# KiCad board Panel3-copy2.kicad_pcb (continued)
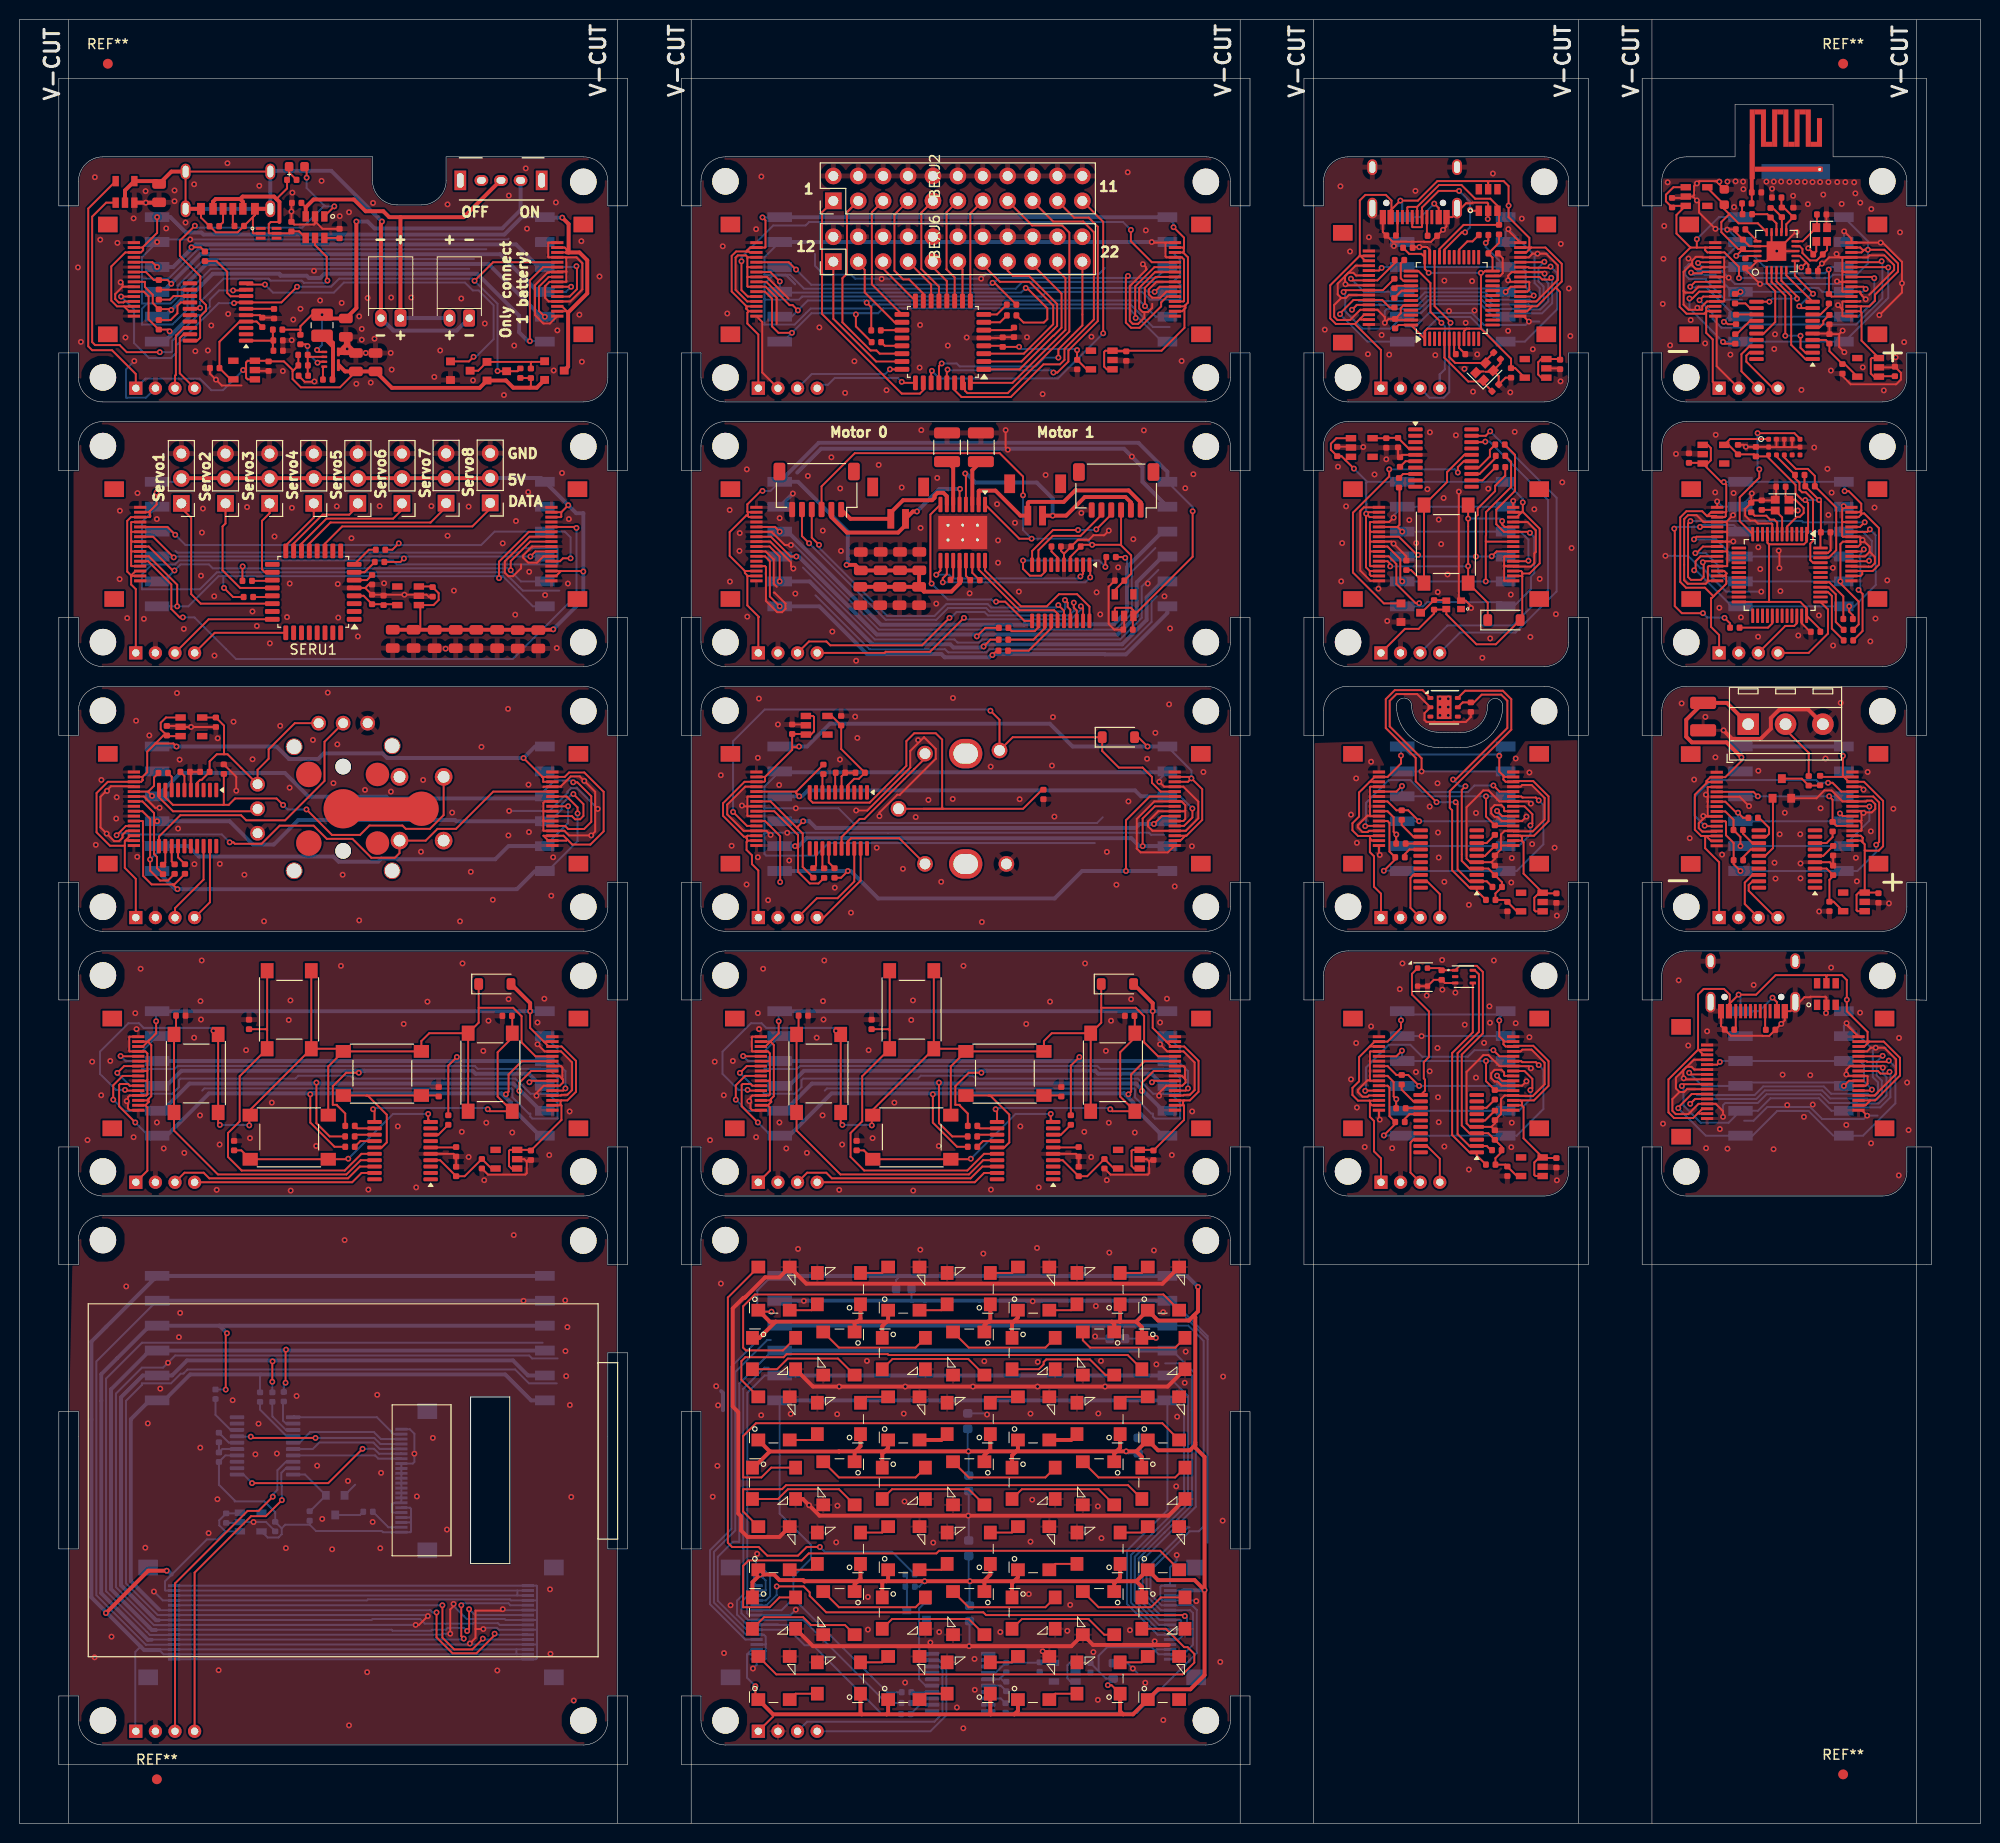
[diagram p0: board, top side]
## Routing (per net, layer and track width the routed paths; a pad name or vN(x,y) marks a point on that pad's centre or on a via; arc(x,y) is an arc through that point) (continued)
USB_Interrupt5V: length 29.6
  Top w0.2: USBJ6.12 155.47,159.25 v1(155.53,159.3) ; USBJ5.12 136.4,154.9 v1(135.9,154.4)
  Bottom w0.2: v1(155.53,159.3) 154.93,158.7 154.93,157.29 155.45,156.77 155.45,155.33 154.95,154.84 154.04,154.84 153.92,154.95 150.18,154.95 149.36,155.78 143.52,155.78 142.63,154.89 136.39,154.89 v1(135.9,154.4)
USB_MISO: length 38.2
  Top w0.2: v1(135.04,156.22) 135.23,156.4 USBJ5.9 139.06,156.4 USBR6.2 ; USBJ6.9 155.04,157.75 155.3,157.49 156.05,157.49 v1(156.23,157.66)
  Bottom w0.2: USBJ3.2 151.92,154.04 155.28,154.04 156.32,155.07 156.32,157.57 v1(156.23,157.66) ; USBJ3.2 150.31,153.69 149.03,154.97 143.85,154.97 142.97,154.09 141.43,154.09 USBJ1.5 139.81,152.47 136.97,152.47 135.21,154.24 135.21,156.05 v1(135.04,156.22) ; USBJ3.2 151.07,153.69
USB_MISO_UC: length 1.6
  Top w0.2: 141.76,156.85 140.47,156.85 USBR6.1
USB_MOSI: length 41.1
  Top w0.2: USBR4.2 139.76,154.63 138.99,155.4 USBJ5.11 137.62,155.4 136.05,155.4 134.68,154.03 v1(134.68,153.95) ; v1(156.16,158.81) 156.04,158.69 153.96,158.69 153.9,158.75 USBJ6.11
  Bottom w0.2: v1(156.16,158.81) 156.83,158.13 156.83,154.45 153.53,151.15 USBJ3.1 150.5,151.15 147.97,153.68 144.78,153.68 142.25,151.15 USBJ1.6 137.49,151.15 v1(134.68,153.95)
USB_MOSI_UC: length 1.8
  Top w0.2: 141.76,156.35 140.97,156.35 USBR4.1
USB_Net-(J2-CC1): length 1.9
  Top w0.2: 143.54,163.85 143.54,162.02 143.62,161.95
USB_Net-(J2-CC2): length 1.9
  Top w0.2: 140.54,163.85 140.54,162.13 140.38,161.97
USB_Net-(U1-NRST): length 1.6
  Top w0.2: USBC4.2 146.32,150.04 USBU1.7
USB_OSC_IN: length 8.4
  Top w0.2: USBU1.5 145.32,149.52 147.76,147.08 149.19,147.08 USBY2.1 149.31,146.96 USBC6.2
USB_OSC_OUT: length 7.2
  Top w0.2: USBU1.6 145.82,149.58 146.43,148.97 149.53,148.97 149.53,149.21 USBC7.2
USB_PS: length 25.1
  Top w0.2: USBJ6.5 154.35,155.75 ; v1(149.55,161.22) 149.81,161.49 USBR5.2 ; v1(138.93,158.67) 138.65,158.4 USBJ5.5
  Bottom w0.2: USBJ3.4 149.55,160.79 v1(149.55,161.22) ; USBJ3.4 USBJ1.3 139.02,158.77 v1(138.93,158.67) ; USBJ3.4 151.98,158.77 ; USBJ3.4 153.21,158.77 153.62,158.35 153.62,156.7 154.44,155.89 v1(154.44,155.85)
USB_PS_UC: length 3.4
  Top w0.2: USBR5.1 148.19,161.38 147.67,161.38 146.82,160.53 USBU1.29
USB_SCLK: length 23.9
  Top w0.2: USBR7.2 140.26,159.16 138.5,157.4 USBJ5.7 135.97,157.4 v1(135.79,157.57) ; v1(151.57,156.23) 152.09,156.75 USBJ6.7
  Bottom w0.2: v1(151.57,156.23) 151.23,156.57 141.37,156.57 USBJ1.4 137.14,156.23 v1(135.79,157.57)
USB_SCLK_UC: length 3.2
  Top w0.2: USBR7.1 140.88,159.12 140.88,157.62 141.14,157.35 USBU1.39
USB_SWDCLK: length 15.5
  Top w0.2: USBU1.37 142.68,158.35 143.9,157.13 143.9,154.2 v1(145.03,153.07)
  Bottom w0.2: v1(145.03,153.07) 145.38,152.72 145.38,148.32 144.85,147.8 USBJ4.4 144.85,147.85
USB_SWDIO: length 18.1
  Top w0.2: USBU1.34 144.32,154.78 145.95,153.15 v1(145.95,153.07)
  Bottom w0.2: USBJ4.3 143.82,145.43 145.25,145.43 145.82,146 145.82,152.95 v1(145.95,153.07)
USB_USB_D+: length 23
  Top w0.2: 142.54,164.9 144.77,167.12 147.07,167.12 148.47,165.73 150.02,165.73 150.74,165 USBIC1.3 150.9,164.34 USBR12.1 147.29,163.06 144.82,160.6 USBU1.33 ; 142.54,164.9 142.54,163.85 ; 142.54,164.9 141.61,164.9 141.54,164.83 141.54,163.85
USB_USB_D-: length 17.9
  Top w0.2: USBU1.32 145.32,160.53 147.09,162.3 v1(147.44,162.3) ; v1(146.82,166.53) 144.74,166.53 143.04,164.83 143.04,162.88 143,162.83 142.09,162.83 142.04,162.88 142.04,163.85 ; USBIC1.1 148.05,164.5 v1(147.95,164.6)
  Bottom w0.2: v1(147.44,162.3) 147.95,162.81 v1(147.95,164.6) 147.95,165.4 v1(146.82,166.53)
USB_VDD: length 39.8
  Top w0.2: USBC1.1 140.65,152.85 USBU1.48 USBU1.1 143.32,152.21 143.59,152.47 147.88,152.47 ; v1(143.72,158.17) 143.32,158.57 USBU1.36 142.98,160.1 141.74,160.1 141.12,160.72 ; 149.06,152.47 149.06,157.94 149.47,158.35 USBU1.24 150.24,159.73 USBC5.1 150.9,161.24 USBR12.2 ; 149.06,152.47 152.12,149.41 USBC9.1 152.56,148.44 USBU2.5 ; 149.06,152.47 147.88,152.47 ; 147.88,152.47 147.59,152.47 147.32,152.21 USBU1.9
  Bottom w0.2: v1(143.72,158.17) v1(149.05,158.17)
WIR_5V: length 91
  Top w0.2: 188.06,160.44 188.15,160.53 v1(188.53,160.53) 190.2,160.53 191.6,159.12 191.6,158.3 189.25,155.95 189.25,155.33 188.68,154.75 187.85,154.75 ; 188.06,160.44 187.88,160.25 WIRJ3.14 ; 188.06,160.44 187.75,160.75 WIRJ3.15 ; 187.85,154.75 WIRJ3.3 ; 187.85,154.75 187.81,154.71 187.81,154.16 ; v1(175.37,157.63) 175.37,158.77 173.9,160.25 WIRJ5.3 172.15,160.25 171.93,160.47 171.93,160.75 ; 187.81,154.16 187.72,154.25 WIRJ3.2 ; 187.81,154.16 187.88,154.09 187.88,151.25 189.65,149.47 188.92,149.47 188.82,149.38 188.82,147.9 189.15,147.57 WIRU2.1 189.7,147.62 WIRC8.1 ; 171.93,160.75 WIRJ5.2 ; 171.93,160.75 171.07,160.75 ; v1(171.07,161.6) 171.07,160.75 ; 171.07,160.75 170.43,160.75 ; 170.43,160.75 169.32,159.65 169.32,154.7 170.03,154 171.83,154 172.08,154.25 ; 170.43,160.75 169,162.18 169,164.07 169.93,165 WIRU1.3 168.71,165 WIRC11.1 167.93,165.47 167.93,166.14 168.68,166.9 WIRU1.1 ; 172.03,154.2 172.03,152.05 172.7,151.38 172.7,147.05 WIRJ4.1 ; 172.03,154.2 172.03,154.59 172.03,154.6 172.18,154.75 WIRJ5.14 ; 172.03,154.2 172.08,154.25 ; WIRJ5.15 172.08,154.25
  Bottom w0.2: WIRJ2.6 188.53,161.4 v1(188.53,160.53) 188.53,159.12 187.38,157.97 184.95,157.97 184.61,157.63 v1(175.37,157.63) ; v1(171.07,161.6) 173.32,163.85 WIRJ1.1
WIR_GND: length 160.1
  Top w0.2: 185.92,158.38 185.92,159.7 185.97,159.75 WIRJ3.13 ; 185.92,158.38 185.92,157.22 ; 185.92,158.38 186.04,158.25 WIRJ3.10 ; WIRU3.5 184.54,151.97 WIRC2.2 ; 171.12,154.4 171.59,154.4 171.62,154.43 171.62,154.77 172.11,155.25 WIRJ5.13 173.83,155.25 173.88,155.3 173.88,156.72 ; 171.12,154.4 171.12,154.6 v1(171.13,154.61) ; 171.12,154.4 170.25,154.4 169.72,154.93 169.72,156.32 ; WIRU4.21 178.2,159.39 WIRU4.20 176.54,158.66 176.03,158.66 176.03,158.53 v1(177.53,157.03) ; WIRU4.21 179.21,160.39 181.17,162.35 v1(181.25,162.35) ; WIRU4.21 178.7,160.89 ; WIRU4.21 v1(179.22,160.39) WIRU4.8 ; v1(188.3,155.47) 187.9,155.88 187.9,155.93 187.77,156.05 187.77,156.2 187.72,156.25 WIRJ3.6 185.97,156.25 185.92,156.3 185.92,157.22 ; v1(186.1,162.4) 186.84,161.66 WIRJ3.16 v1(189.82,161.25) 190.04,161.25 192,159.29 v1(192,157.1) 192,156.16 v1(189.69,153.86) ; 173.88,157.72 173.88,158.68 ; 173.88,157.72 173.85,157.75 WIRJ5.8 ; 173.88,157.72 173.88,156.72 ; 173.88,158.68 173.81,158.75 WIRJ5.6 171.62,158.75 171.45,158.57 170.95,158.57 170.6,158.93 170.6,159.1 ; 173.88,158.68 173.88,159.7 173.83,159.75 WIRJ5.4 171.68,159.75 171.62,159.8 170.97,159.8 170.6,159.43 170.6,159.1 ; 170.6,159.1 170.55,159.1 169.72,158.28 169.72,156.32 ; 185.92,154.43 185.92,155.2 185.97,155.25 WIRJ3.4 187.72,155.25 187.77,155.3 ; 185.92,154.43 185.92,154.43 v1(185.47,154.88) ; 185.92,154.43 185.92,153.8 185.97,153.75 WIRJ3.1 ; v1(185.32,160.1) 185.68,159.75 WIRJ3.13 ; 178.7,160.89 WIRU4.17 176.45,160.89 WIRC15.2 175.06,162.28 175.06,162.6 174.2,162.6 v1(174.18,162.57) ; 178.7,160.89 WIRU4.14 ; 170.68,165.95 170.8,166.07 170.8,167 v1(171.09,167.29) 171.32,167.53 173.04,167.53 WIRC13.2 ; 170.68,165.95 v1(171.08,165.55) 171.3,165.33 171.3,164.33 v1(172.97,162.65) ; 170.68,165.95 WIRU1.2 169.81,165.81 WIRC11.2 ; WIRC1.2 WIRC2.2 ; WIRC2.2 185.59,151.92 ; WIRJ3.13 184.58,159.75 183.94,159.12 v1(183.83,159.12) 183.43,158.71 WIRC9.2 ; WIRJ3.13 188.5,159.75 188.7,159.95 190.21,159.95 191.2,158.96 191.2,158.46 188.66,155.93 ; WIRY2.4 184.29,162.84 WIRC5.2 ; WIRU2.2 191.21,148.53 WIRC8.2 191.9,147.97 191.9,147.29 191.41,146.8 186.77,146.8 185.93,147.65 WIRC12.2 ; 169.72,156.32 169.9,156.15 170.65,156.15 171.25,156.75 WIRJ5.10 173.85,156.75 173.88,156.72 ; 185.59,151.92 v1(185.95,152.28) ; 185.59,151.92 185.59,150.6 v1(186.12,150.07) ; WIRY2.2 183.26,160.36 WIRC6.2 182.95,160.17 v1(182.45,160.68) ; 185.92,157.22 185.94,157.25 WIRJ3.8 185.43,157.25 v1(185.38,157.3) ; WIRJ4.2 173.1,148.65 173.1,153.6 WIRJ5.16
  Bottom w0.2: 173.97,159.76 WIRJ1.2 174.26,162.57 v1(174.18,162.57) 174.1,162.65 v1(172.97,162.65) ; 185.88,157.03 174.97,157.03 173.63,158.37 171.16,158.37 170.48,159.05 170.25,159.05 169.89,158.69 169.89,157.94 170.28,157.55 172.03,157.55 172.03,157.38 173.97,155.43 175.68,155.43 ; WIRJ2.5 186.1,161.34 v1(186.1,162.4)
  vias: v1(167.6,155) v1(167.68,159.6) v1(167.75,162.95) v1(168.1,167.4) v1(168.35,150.78) v1(170.22,159.62) v1(170.45,153.35) v1(171.93,150.97) v1(173.38,167.47) v1(174.2,167.47) v1(174.32,157.68) v1(174.5,149.82) v1(174.88,164.88) v1(175.03,167.5) v1(175.8,167.47) v1(175.82,166.7) v1(178.18,167.47) v1(178.75,166.75) v1(178.93,167.47) v1(178.97,150.4) v1(179.05,151.9) v1(179.68,167.47) v1(180.53,167.45) v1(180.9,166.03) v1(181.32,167.45) v1(181.75,146.22) v1(182.1,167.45) v1(182.4,165.18) v1(182.88,167.43) v1(183.65,167.43) v1(183.97,166.15) v1(184.5,167.43) v1(184.75,148.2) v1(185.4,167.43) v1(185.85,165.2) v1(186.22,167.43) v1(187.12,167.4) v1(187.25,166.28) v1(187.75,165.32) v1(188,148.53) v1(188.88,164.68) v1(190.15,146.18) v1(191.35,149.55) v1(191.8,162.3) v1(192.22,151.1)
WIR_Interrupt5V: length 30.1
  Top w0.2: v1(171.35,155.38) 171.72,155.75 WIRJ5.12 ; WIRJ3.12 189.82,159.25 v1(189.93,159.35)
  Bottom w0.2: v1(189.93,159.35) 190,159.28 190,155.57 187.31,152.89 176.03,152.89 175.7,152.57 173.58,152.57 172.68,153.48 172.68,154.05 v1(171.35,155.38)
WIR_MISO: length 31.4
  Top w0.2: WIRJ5.9 170.9,157.25 v1(170.4,156.75) ; v1(189.18,157.62) 189.05,157.75 WIRJ3.9 ; v1(173.83,153.17) 173.99,153.17 174.23,152.93 WIRR4.2
  Bottom w0.2: WIRJ1.5 174.35,153.69 v1(173.83,153.17) ; WIRJ1.5 175.03,153.69 172.04,156.69 170.46,156.69 v1(170.4,156.75) ; WIRJ1.5 WIRJ2.2 187.55,153.69 189.18,155.32 v1(189.18,157.62)
WIR_MOSI: length 35.6
  Top w0.2: v1(173.75,151.12) 173.94,150.94 WIRR2.2 ; WIRJ3.11 190.56,158.75 ; WIRJ5.11 171.31,156.25 170.61,155.55 v1(170.32,155.55)
  Bottom w0.2: v1(170.32,155.55) 170.32,154.55 v1(173.75,151.12) 175.5,151.12 WIRJ1.6 WIRJ2.1 186.14,151.15 190.6,155.61 v1(190.6,158.71)
WIR_Net-(AE1-A): length 6.1
  Top w0.2: WIRC10.2 176.68,165.27 WIRC7.1
  Top w0.4: WIRC7.1 176.68,171.23 176.73,171.28
WIR_Net-(C10-Pad1): length 1.1
  Top w0.2: WIRC10.1 175.69,164.2 WIRL3.1
WIR_Net-(U3-NRST): length 2.4
  Top w0.2: WIRU3.6 183.62,152.62 183.98,152.98 183.98,153.26 WIRC1.1
WIR_Net-(U3-PA1): length 2.3
  Top w0.2: WIRU3.8 183.69,153.93 184.55,154.79 WIRR1.1
WIR_Net-(U3-PA5): length 2.4
  Top w0.2: WIRU3.12 176.51,154.57 176.03,155.05 WIRR3.1
WIR_Net-(U3-PA6): length 2.1
  Top w0.2: WIRR4.1 175.1,153.93 WIRU3.13
WIR_Net-(U3-PA7): length 2.7
  Top w0.2: WIRU3.14 176.51,153.28 175.14,151.91 WIRR2.1
WIR_Net-(U4-ANT1): length 3.1
  Top w0.2: WIRU4.12 179.75,162.38 179.75,163.85 178.82,164.78 WIRL1.1
WIR_Net-(U4-ANT2): length 3.8
  Top w0.2: WIRU4.13 179.2,163.22 178.26,164.15 WIRL3.2
WIR_Net-(U4-DVDD): length 1.3
  Top w0.2: WIRU4.19 176.28,159.89 WIRC3.1
WIR_Net-(U4-IREF): length 1.7
  Top w0.2: WIRU4.16 176.05,162.6 WIRR6.2
WIR_Net-(U4-VDD_PA): length 4.4
  Top w0.2: WIRC4.1 179.71,164.87 WIRL4.1 179.95,164.82 WIRC14.1 180.2,163.12 WIRU4.11
WIR_PS: length 22.3
  Top w0.2: WIRJ3.5 184.81,155.75 WIRR1.2 184.55,158.47 v1(184.53,158.5) ; WIRJ5.5 171.28,159.25 v1(171.2,159.18)
  Bottom w0.2: WIRJ2.4 184.79,158.77 v1(184.53,158.5) 184.15,158.12 176.17,158.12 WIRJ1.3 171.6,158.77 v1(171.2,159.18)
WIR_SCLK: length 23.8
  Top w0.2: v1(175.53,156.23) 175.31,156.02 WIRR3.2 ; v1(170.49,158.19) 170.55,158.12 171.56,158.12 171.69,158.25 WIRJ5.7 ; WIRJ3.7 188.07,156.75 v1(188.3,156.53)
  Bottom w0.2: v1(170.49,158.19) 170.71,157.97 172.98,157.97 174.72,156.23 v1(175.53,156.23) 181.78,156.23 182.18,156.63 183.47,156.63 183.88,156.23 WIRJ2.3 188,156.23 v1(188.3,156.53)
WIR_SWDCLK: length 6.1
  Top w0.2: 177.16,150.03 176.43,150.03 176.12,149.72 176.12,149.11 178.83,146.4 WIRJ4.4
WIR_SWDIO: length 6.1
  Top w0.2: WIRJ4.3 175.62,148.12 175.62,149.87 176.43,150.68 WIRU3.18
WIR_VDD: length 6.6
  Top w0.2: WIRU3.4 184.22,151.32 WIRC2.1 184.6,150.19 WIRC12.1 186.16,148.86 WIRU2.5
WIR_VDD_NRF: length 26
  Top w0.2: WIRU1.5 172.15,166.84 WIRC13.1 173.88,164.68 175.33,163.22 177.31,163.22 WIRU4.15 ; 174.39,164.16 173.57,163.35 173.57,162.33 175.31,160.59 WIRC15.1 ; v1(181.72,158.72) 181.75,158.72 182.24,159.21 ; WIRU4.7 181.56,159.89 182.24,159.21 ; 182.24,159.21 182.46,159 182.46,158.35 ; v1(175.1,159.9) 175.1,159.91 WIRC15.1 ; WIRC15.1 175.98,160.39 WIRU4.18
  Bottom w0.2: v1(175.1,159.9) 176.88,159.9 177.97,158.8 181.65,158.8 v1(181.72,158.72)
WIR_W_CSN: length 11.5
  Top w0.2: v1(181.65,151.75) 181.65,150.53 182.15,150.03 182.89,150.03 ; WIRU4.2 178.7,157.23 180.1,155.83 v1(180.1,151.75)
  Bottom w0.2: v1(181.65,151.75) v1(180.1,151.75)
WIR_W_Enable: length 8.1
  Top w0.2: WIRU3.16 177.9,151.97 179.07,153.15 179.07,156.29 178.2,157.17 WIRU4.1
WIR_W_INT: length 7.5
  Top w0.2: WIRU4.6 181.07,159.32 181.07,157.89 v1(182.93,156.03) ; WIRU3.9 181.71,154.57 v1(181.52,154.76)
  Bottom w0.2: v1(182.93,156.03) 182.79,156.03 v1(181.52,154.76)
WIR_W_MISO: length 4.3
  Top w0.2: 182.89,155.22 180.2,157.91 WIRU4.5
WIR_W_MOSI: length 7.8
  Top w0.2: WIRU4.4 179.7,157.37 181.3,155.77 v1(181.3,155.53) ; v1(178.47,155.22) 177.16,155.22
  Bottom w0.2: v1(181.3,155.53) 178.78,155.53 v1(178.47,155.22)
WIR_W_SCK: length 11
  Top w0.2: WIRU4.3 179.2,157.3 180.7,155.8 180.7,150.83 182.15,149.38 WIRU3.1
WIR_XC13: length 4.1
  Top w0.2: WIRC5.1 183.32,162.84 WIRY2.1 181.87,161.39 WIRU4.10
WIR_XC23: length 5.4
  Top w0.2: WIRU4.9 181.56,160.89 181.85,160.6 181.85,160.19 182.61,159.43 183.3,159.43 WIRC6.1 184.36,160.49 WIRY2.3

## Copper pours and planes (outline as drawn; the poured copper is in the pictures)
BAT_GND on Top, Bottom: 4.22,170.65 60.1,170.7 60.35,144.5 3.92,144.3
BEX_GND on Top, Bottom: 67.53,171.15 125.78,170.8 126.72,143.78 67.12,144.57
BLK_GND on Top, Bottom: 67,90.1 126.47,90.55 125.85,63.78 66.75,63.15
BTS_GND on Top, Bottom: 3.5,90.1 62.98,90.55 62.35,63.78 3.25,63.15
BUT_GND on Top, Bottom: 132.5,143.5 166.5,143.5 166.5,117.5 132.5,117.5
DIA_GND on Top, Bottom: 67.95,116.6 126.4,117.03 126.78,90.08 67.7,90.4
DIS_GND on Top, Bottom: 165.4,144.25 200.9,143.6 200.9,117.6 164.35,117.05
JOY_GND on Top, Bottom: 3.7,116.6 62.58,116.84 63.07,90.18 3.85,90.35
LED_GND on Top, Bottom: 165.75,117.03 201,116.5 201,90.5 165.68,90.72
LIG_GND on Top, Bottom: 131.3,89.5 165.3,89.5 165.3,63.5 131.3,63.5
MAT_GND on Top, Bottom: 67.58,63.32 126.36,63.12 130.39,3.37 66.34,3.55
MOT_GND on Top, Bottom: 67.95,143.7 124.9,143.72 126.35,117.35 68.05,117.6
POW_GND on Top, Bottom: 165.2,89.45 199.2,89.45 199.2,63.45 165.2,63.45
SCR_GND on Top, Bottom: 5.5,62.5 60.96,63.04 62.3,7.57 4.27,6.68
SER_GND on Top, Bottom: 5.5,143.5 62.23,143.47 64.08,117.55 5.5,117.5
TMP_/DAP on Bottom: 141.03,116.42 150.65,116.62 150.47,113.58 147.7,110.33 144.22,110.6 141.72,112.47 141,116.45
TMP_GND on Top, Bottom: 131.3,116.5 165.3,116.5 165.3,90.5 131.3,90.5
USB_GND on Top, Bottom: 130.7,170.45 164.7,170.45 164.7,144.45 130.7,144.45
WIR_GND on Top, Bottom: 164.62,167.75 167.4,167.8 194.75,167.72 195.57,165.6 193.68,144.55 164.3,143.9
WIR_GND on Bottom: 177.05,167.79 177.67,167.79 177.67,169.25 192.53,169.25 192.51,167.16 177.03,167.17

## Text on the board
Edge.Cuts: V-CUT
